# KiCad board keyboard.kicad_pcb
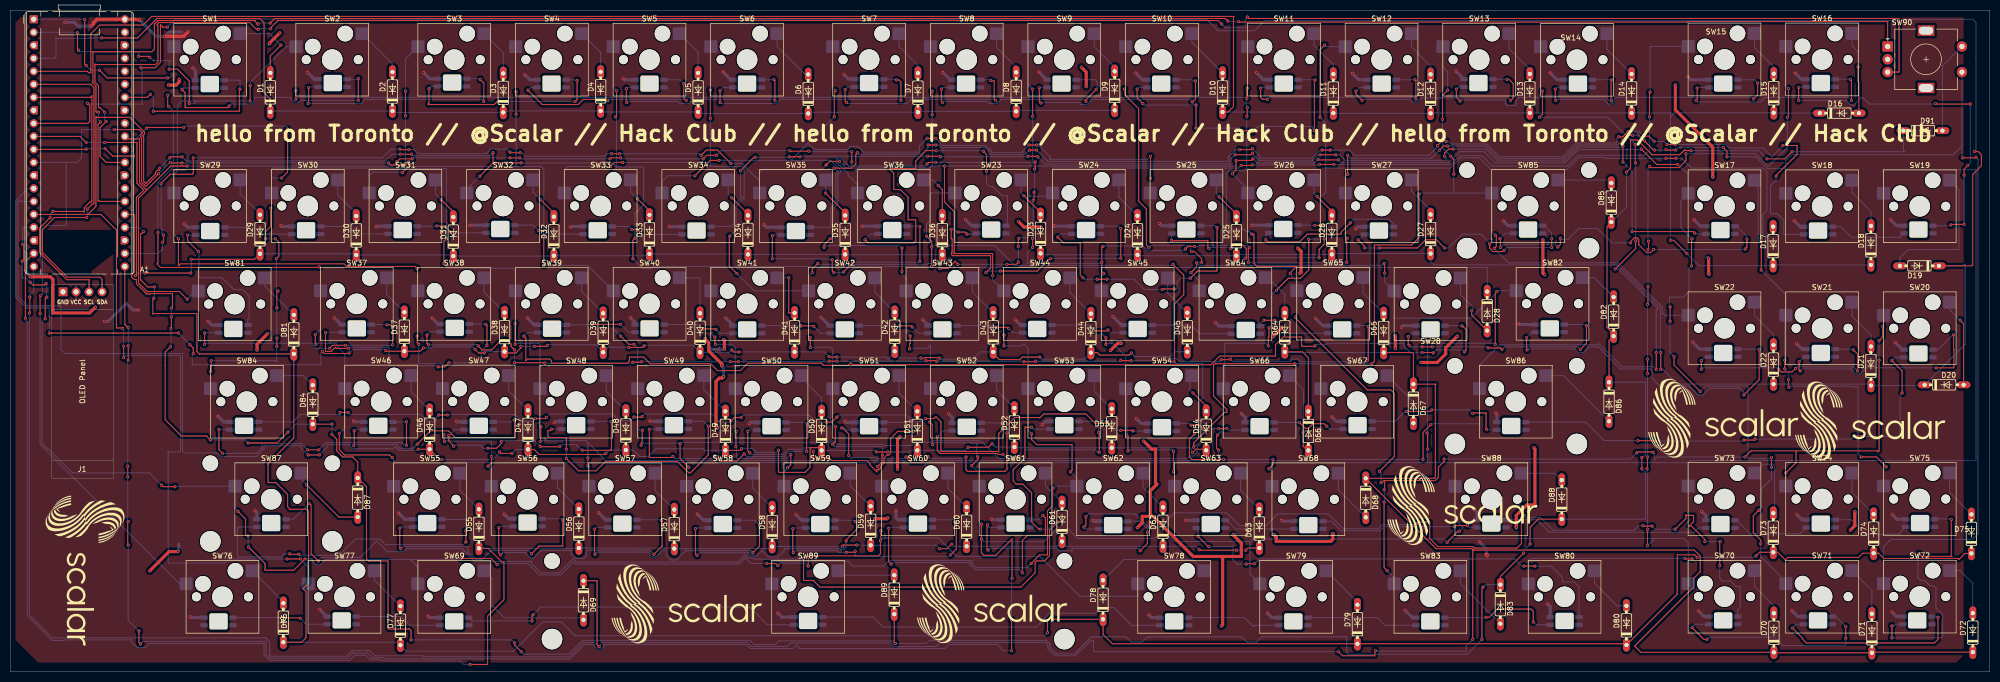
[diagram p0: board, top side]
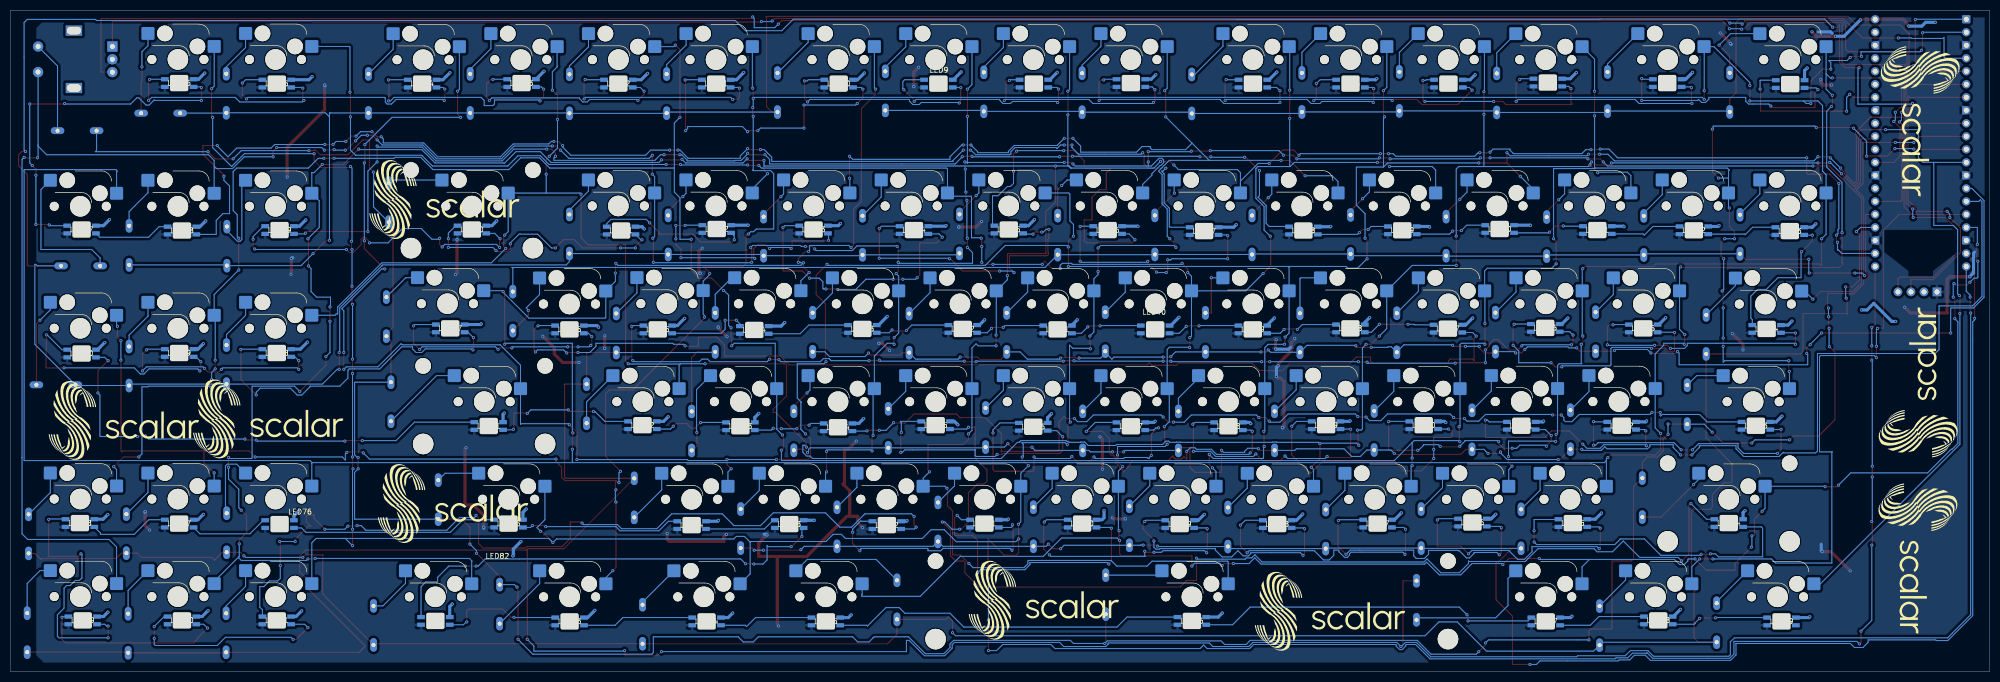
[diagram p1: board, bottom side, seen from below]

Outline 386.33 x 129.13 mm; copper layers: Top, Bottom. Coordinates in mm from the lower left corner of the outline.
Outline path: rectangle 0,129.13 386.33,0

## Placement (name value [footprint] x y rotation side)
A1  RaspberryPi_Pico  [RaspberryPi_Pico_Common_THT]  4.58 127.38 0 top
D1  1N4148  [DO35-7]  50.74 113.1 90 top
D2  1N4148  [DO35-7]  74.59 113.27 90 top
D3  1N4148  [DO35-7]  96.22 112.99 90 top
D4  1N4148  [DO35-7]  115.23 113.29 90 top
D5  1N4148  [DO35-7]  134.24 113.09 90 top
D6  1N4148  [DO35-7]  155.74 112.79 90 top
D7  1N4148  [DO35-7]  177.14 113.04 90 top
D8  1N4148  [DO35-7]  196.32 113.2 90 top
D9  1N4148  [DO35-7]  215.54 113.39 90 top
D10  1N4148  [DO35-7]  236.59 113.06 90 top
D11  1N4148  [DO35-7]  258.22 112.86 90 top
D12  1N4148  [DO35-7]  277.19 112.81 90 top
D13  1N4148  [DO35-7]  296.57 112.89 90 top
D14  1N4148  [DO35-7]  316.42 112.89 90 top
D15  1N4148  [DO35-7]  344.17 112.92 90 top
D16  1N4148  [DO35-7]  356.97 109.05 0 top
D17  1N4148  [DO35-7]  344.05 83.08 90 top
D18  1N4148  [DO35-7]  363.13 83.23 90 top
D19  1N4148  [DO35-7]  372.6 79.23 180 top
D20  1N4148  [DO35-7]  377.42 56.01 0 top
D21  1N4148  [DO35-7]  363.13 59.69 90 top
D22  1N4148  [DO35-7]  344.12 59.96 90 top
D23  1N4148  [DO35-7]  201.07 85.47 90 top
D24  1N4148  [DO35-7]  220 85.2 90 top
D25  1N4148  [DO35-7]  239.29 85.03 90 top
D26  1N4148  [DO35-7]  257.92 85.28 90 top
D27  1N4148  [DO35-7]  277.2 85.45 90 top
D28  1N4148  [DO35-7]  288.25 70.4 270 top
D29  1N4148  [DO35-7]  48.74 85.4 90 top
D30  1N4148  [DO35-7]  67.52 85.17 90 top
D31  1N4148  [DO35-7]  86.47 84.95 90 top
D32  1N4148  [DO35-7]  106.09 85.03 90 top
D33  1N4148  [DO35-7]  124.75 85.36 90 top
D34  1N4148  [DO35-7]  143.97 85.28 90 top
D35  1N4148  [DO35-7]  162.94 85.28 90 top
D36  1N4148  [DO35-7]  181.89 85.22 90 top
D37  1N4148  [DO35-7]  76.92 66.38 90 top
D38  1N4148  [DO35-7]  96.47 66.3 90 top
D39  1N4148  [DO35-7]  115.72 66.18 90 top
D40  1N4148  [DO35-7]  134.62 66.18 90 top
D41  1N4148  [DO35-7]  153.07 66.25 90 top
D42  1N4148  [DO35-7]  172.62 66.38 90 top
D43  1N4148  [DO35-7]  191.84 66.25 90 top
D44  1N4148  [DO35-7]  210.89 66.1 90 top
D45  1N4148  [DO35-7]  229.72 66.28 90 top
D46  1N4148  [DO35-7]  81.84 47.25 90 top
D47  1N4148  [DO35-7]  101.04 47.22 90 top
D48  1N4148  [DO35-7]  120.14 47.1 90 top
D49  1N4148  [DO35-7]  139.57 47.03 90 top
D50  1N4148  [DO35-7]  158.34 47.01 90 top
D51  1N4148  [DO35-7]  177.02 47.03 90 top
D52  1N4148  [DO35-7]  195.97 47.68 90 top
D53  1N4148  [DO35-7]  214.97 47.53 90 top
D54  1N4148  [DO35-7]  233.39 47.05 90 top
D55  1N4148  [DO35-7]  91.47 27.9 90 top
D56  1N4148  [DO35-7]  110.97 27.95 90 top
D57  1N4148  [DO35-7]  129.59 27.85 90 top
D58  1N4148  [DO35-7]  148.69 28.25 90 top
D59  1N4148  [DO35-7]  167.92 28.5 90 top
D60  1N4148  [DO35-7]  186.64 28.3 90 top
D61  1N4148  [DO35-7]  205.28 29.25 90 top
D62  1N4148  [DO35-7]  224.97 28.3 90 top
D63  1N4148  [DO35-7]  243.77 27.95 90 top
D64  1N4148  [DO35-7]  248.74 66.25 90 top
D65  1N4148  [DO35-7]  268.05 66.12 90 top
D66  1N4148  [DO35-7]  253.34 47.01 270 top
D67  1N4148  [DO35-7]  273.85 52.32 270 top
D68  1N4148  [DO35-7]  264.55 33.95 270 top
D69  1N4148  [DO35-7]  111.88 13.96 270 top
D70  1N4148  [DO35-7]  344.2 7.61 90 top
D71  1N4148  [DO35-7]  363.32 7.51 90 top
D72  1N4148  [DO35-7]  383.02 7.63 90 top
D73  1N4148  [DO35-7]  344.08 27.13 90 top
D74  1N4148  [DO35-7]  363.67 26.96 90 top
D75  1N4148  [DO35-7]  382.75 26.91 90 top
D76  1N4148  [DO35-7]  53.29 9.57 90 top
D77  1N4148  [DO35-7]  76.15 9 90 top
D78  1N4148  [DO35-7]  213.27 14.05 90 top
D79  1N4148  [DO35-7]  262.92 9.28 90 top
D80  1N4148  [DO35-7]  315.42 9.05 90 top
D81  1N4148  [DO35-7]  55.35 65.85 90 top
D82  1N4148  [DO35-7]  312.92 69.32 90 top
D83  1N4148  [DO35-7]  290.82 13.2 270 top
D84  1N4148  [DO35-7]  59.04 52.14 90 top
D85  1N4148  [DO35-7]  312.47 91.58 90 top
D86  1N4148  [DO35-7]  312.03 52.72 270 top
D87  1N4148  [DO35-7]  67.81 34 270 top
D88  1N4148  [DO35-7]  302.8 33.6 90 top
D89  1N4148  [DO35-7]  172.52 15.05 90 top
D91  1N4148  [DO35-7]  373.29 105.62 0 top
G***  -  [LOGO]  363.05 48.99 0 top
G***#2  -  [LOGO]  334.36 49.51 0 top
G***#3  -  [LOGO]  191.66 13.31 0 top
G***#4  -  [LOGO]  14.62 19.69 270 top
G***#5  -  [LOGO]  132.06 13.26 0 top
G***#6  -  [LOGO]  283.46 32.47 0 top
G***#7  -  [LOGO]  13.99 56.54 90 bottom
G***#8  -  [LOGO]  299.87 32.87 180 bottom
G***#9  -  [LOGO]  301.56 92.21 180 bottom
G***#10  -  [LOGO]  128.74 11.83 180 bottom
G***#11  -  [LOGO]  14 22.06 270 bottom
G***#12  -  [LOGO]  184.57 13.99 180 bottom
G***#13  -  [LOGO]  335.94 49.39 180 bottom
G***#14  -  [LOGO]  364.13 49.08 180 bottom
G***#15  -  [LOGO]  13.55 107.4 270 bottom
J1  Conn_01x04  [SSD1306-0.91-OLED-4pin-128x32]  8.11 37.66 90 top
LED1  SK6812MINI-E mine  [BAcklight]  38.95 114.72 180 bottom
LED2  SK6812MINI-E mine  [BAcklight]  62.94 114.92 180 bottom
LED3  SK6812MINI-E mine  [BAcklight]  86.24 115.02 180 bottom
LED4  SK6812MINI-E mine  [BAcklight]  105.64 114.81 180 bottom
LED5  SK6812MINI-E mine  [BAcklight]  124.75 114.81 180 bottom
LED6  SK6812MINI-E mine  [BAcklight]  143.81 114.81 180 bottom
LED7  SK6812MINI-E mine  [BAcklight]  167.62 114.92 180 bottom
LED8  SK6812MINI-E mine  [BAcklight]  186.54 114.81 180 bottom
LED9  SK6812MINI-E mine  [BAcklight]  205.17 114.81 180 bottom
LED10  SK6812MINI-E mine  [BAcklight]  224.64 114.81 180 bottom
LED11  SK6812MINI-E mine  [BAcklight]  248.54 114.81 180 bottom
LED12  SK6812MINI-E mine  [BAcklight]  267.64 114.81 180 bottom
LED13  SK6812MINI-E mine  [BAcklight]  286.54 114.92 180 bottom
LED14  SK6812MINI-E mine  [BAcklight]  305.94 114.81 180 bottom
LED15  SK6812MINI-E mine  [BAcklight]  334.31 114.81 180 bottom
LED16  SK6812MINI-E mine  [BAcklight]  353.36 114.92 180 bottom
LED17  SK6812MINI-E mine  [BAcklight]  372.41 86.33 180 bottom
LED18  SK6812MINI-E mine  [BAcklight]  352.81 86.12 180 bottom
LED19  SK6812MINI-E mine  [BAcklight]  333.77 86.22 180 bottom
LED20  SK6812MINI-E mine  [BAcklight]  296.23 86.33 180 bottom
LED21  SK6812MINI-E mine  [BAcklight]  267.11 86.12 180 bottom
LED22  SK6812MINI-E mine  [BAcklight]  248.45 86.42 180 bottom
LED23  SK6812MINI-E mine  [BAcklight]  229.55 86.33 180 bottom
LED24  SK6812MINI-E mine  [BAcklight]  209.96 86.22 180 bottom
LED25  SK6812MINI-E mine  [BAcklight]  191.45 86.33 180 bottom
LED26  SK6812MINI-E mine  [BAcklight]  172.14 86.22 180 bottom
LED27  SK6812MINI-E mine  [BAcklight]  153.32 86.03 180 bottom
LED28  SK6812MINI-E mine  [BAcklight]  133.94 86.12 180 bottom
LED29  SK6812MINI-E mine  [BAcklight]  114.64 86.17 180 bottom
LED30  SK6812MINI-E mine  [BAcklight]  95.65 86.42 180 bottom
LED31  SK6812MINI-E mine  [BAcklight]  76.58 86.22 180 bottom
LED32  SK6812MINI-E mine  [BAcklight]  57.74 86.17 180 bottom
LED33  SK6812MINI-E mine  [BAcklight]  39.02 86.03 180 bottom
LED34  SK6812MINI-E mine  [BAcklight]  43.55 66.93 180 bottom
LED35  SK6812MINI-E mine  [BAcklight]  67.62 67.03 180 bottom
LED36  SK6812MINI-E mine  [BAcklight]  86.75 67.12 180 bottom
LED37  SK6812MINI-E mine  [BAcklight]  105.75 66.97 180 bottom
LED38  SK6812MINI-E mine  [BAcklight]  124.78 67.03 180 bottom
LED39  SK6812MINI-E mine  [BAcklight]  143.82 66.82 180 bottom
LED40  SK6812MINI-E mine  [BAcklight]  162.88 66.82 180 bottom
LED41  SK6812MINI-E mine  [BAcklight]  181.92 66.82 180 bottom
LED42  SK6812MINI-E mine  [BAcklight]  200.43 66.93 180 bottom
LED43  SK6812MINI-E mine  [BAcklight]  220.03 66.93 180 bottom
LED44  SK6812MINI-E mine  [BAcklight]  241.12 66.72 180 bottom
LED45  SK6812MINI-E mine  [BAcklight]  259.95 66.82 180 bottom
LED46  SK6812MINI-E mine  [BAcklight]  277.19 66.82 180 bottom
LED47  SK6812MINI-E mine  [BAcklight]  300.46 67.03 180 bottom
LED48  SK6812MINI-E mine  [BAcklight]  334.31 62.22 180 bottom
LED49  SK6812MINI-E mine  [BAcklight]  353.36 62.22 180 bottom
LED50  SK6812MINI-E mine  [BAcklight]  372.41 62.12 180 bottom
LED51  SK6812MINI-E mine  [BAcklight]  292.95 47.97 180 bottom
LED52  SK6812MINI-E mine  [BAcklight]  262.95 48.12 180 bottom
LED53  SK6812MINI-E mine  [BAcklight]  243.82 47.93 180 bottom
LED54  SK6812MINI-E mine  [BAcklight]  224.77 47.72 180 bottom
LED55  SK6812MINI-E mine  [BAcklight]  205.72 48.12 180 bottom
LED56  SK6812MINI-E mine  [BAcklight]  186.67 47.82 180 bottom
LED57  SK6812MINI-E mine  [BAcklight]  167.62 47.93 180 bottom
LED58  SK6812MINI-E mine  [BAcklight]  148.57 47.93 180 bottom
LED59  SK6812MINI-E mine  [BAcklight]  129.52 48.12 180 bottom
LED60  SK6812MINI-E mine  [BAcklight]  110.47 48.12 180 bottom
LED61  SK6812MINI-E mine  [BAcklight]  91.43 48.03 180 bottom
LED62  SK6812MINI-E mine  [BAcklight]  71.84 48.03 180 bottom
LED63  SK6812MINI-E mine  [BAcklight]  45.63 48.03 180 bottom
LED64  SK6812MINI-E mine  [BAcklight]  50.94 29.03 180 bottom
LED65  SK6812MINI-E mine  [BAcklight]  81.37 29.03 180 bottom
LED66  SK6812MINI-E mine  [BAcklight]  100.96 29.12 180 bottom
LED67  SK6812MINI-E mine  [BAcklight]  119.47 28.93 180 bottom
LED68  SK6812MINI-E mine  [BAcklight]  139.06 28.82 180 bottom
LED69  SK6812MINI-E mine  [BAcklight]  158.09 28.82 180 bottom
LED70  SK6812MINI-E mine  [BAcklight]  177.14 28.93 180 bottom
LED71  SK6812MINI-E mine  [BAcklight]  196.19 28.93 180 bottom
LED72  SK6812MINI-E mine  [BAcklight]  215.25 28.62 180 bottom
LED73  SK6812MINI-E mine  [BAcklight]  234.29 28.82 180 bottom
LED74  SK6812MINI-E mine  [BAcklight]  253.34 28.62 180 bottom
LED75  SK6812MINI-E mine  [BAcklight]  289.06 28.93 180 bottom
LED76  SK6812MINI-E mine  [BAcklight]  333.77 28.82 180 bottom
LED77  SK6812MINI-E mine  [BAcklight]  353.36 28.93 180 bottom
LED78  SK6812MINI-E mine  [BAcklight]  372.73 29.03 180 bottom
LED79  SK6812MINI-E mine  [BAcklight]  372.18 10.03 180 bottom
LED80  SK6812MINI-E mine  [BAcklight]  352.81 10.03 180 bottom
LED81  SK6812MINI-E mine  [BAcklight]  334.31 10.03 180 bottom
LED82  SK6812MINI-E mine  [BAcklight]  303.35 9.93 180 bottom
LED83  SK6812MINI-E mine  [BAcklight]  277.16 9.82 180 bottom
LED84  SK6812MINI-E mine  [BAcklight]  250.42 9.82 180 bottom
LED85  SK6812MINI-E mine  [BAcklight]  227.15 9.82 180 bottom
LED86  SK6812MINI-E mine  [BAcklight]  155.71 9.93 180 bottom
LED87  SK6812MINI-E mine  [BAcklight]  86.66 9.82 180 bottom
LED88  SK6812MINI-E mine  [BAcklight]  64.68 10.03 180 bottom
LED89  SK6812MINI-E mine  [BAcklight]  40.65 9.82 180 bottom
REF**  -  [SW_Cherry_MX_2.00u_PCB]  298.75 96.02 0 top
REF**#2  -  [SW_Cherry_MX_6.25u_PCB]  158.28 19.69 0 top
REF**#3  -  [SW_Cherry_MX_2.25u_PCB]  53.49 38.78 0 top
REF**#4  -  [SW_Cherry_MX_2.25u_PCB]  296.39 57.78 0 top
SW1  SW_Push_45deg  [SW_Hotswap_Kailh_MX_1.00u]  39.02 119.48 0 top
SW2  SW_Push_45deg  [SW_Hotswap_Kailh_MX_1.00u]  62.84 119.49 0 top
SW3  SW_Push_45deg  [SW_Hotswap_Kailh_MX_1.00u]  86.65 119.48 0 top
SW4  SW_Push_45deg  [SW_Hotswap_Kailh_MX_1.00u]  105.71 119.49 0 top
SW5  SW_Push_45deg  [SW_Hotswap_Kailh_MX_1.00u]  124.75 119.49 0 top
SW6  SW_Push_45deg  [SW_Hotswap_Kailh_MX_1.00u]  143.81 119.49 0 top
SW7  SW_Push_45deg  [SW_Hotswap_Kailh_MX_1.00u]  167.62 119.49 0 top
SW8  SW_Push_45deg  [SW_Hotswap_Kailh_MX_1.00u]  186.67 119.49 0 top
SW9  SW_Push_45deg  [SW_Hotswap_Kailh_MX_1.00u]  205.72 119.49 0 top
SW10  SW_Push_45deg  [SW_Hotswap_Kailh_MX_1.00u]  224.77 119.49 0 top
SW11  SW_Push_45deg  [SW_Hotswap_Kailh_MX_1.00u]  248.58 119.49 0 top
SW12  SW_Push_45deg  [SW_Hotswap_Kailh_MX_1.00u]  267.63 119.49 0 top
SW13  SW_Push_45deg  [SW_Hotswap_Kailh_MX_1.00u]  286.68 119.49 0 top
SW14  SW_Push_45deg  [SW_Hotswap_Kailh_MX_1.00u]  305.76 119.47 0 top
SW15  SW_Push_45deg  [SW_Hotswap_Kailh_MX_1.00u]  334.56 119.53 0 top
SW16  SW_Push_45deg  [SW_Hotswap_Kailh_MX_1.00u]  353.61 119.53 0 top
SW17  SW_Push_45deg  [SW_Hotswap_Kailh_MX_1.00u]  334.56 90.86 0 top
SW18  SW_Push_45deg  [SW_Hotswap_Kailh_MX_1.00u]  353.61 90.86 0 top
SW19  SW_Push_45deg  [SW_Hotswap_Kailh_MX_1.00u]  372.66 90.86 0 top
SW20  SW_Push_45deg  [SW_Hotswap_Kailh_MX_1.00u]  372.66 67.05 0 top
SW21  SW_Push_45deg  [SW_Hotswap_Kailh_MX_1.00u]  353.61 67.05 0 top
SW22  SW_Push_45deg  [SW_Hotswap_Kailh_MX_1.00u]  334.56 67.05 0 top
SW23  SW_Push_45deg  [SW_Hotswap_Kailh_MX_1.00u]  191.45 90.92 0 top
SW24  SW_Push_45deg  [SW_Hotswap_Kailh_MX_1.00u]  210.5 90.92 0 top
SW25  SW_Push_45deg  [SW_Hotswap_Kailh_MX_1.00u]  229.55 90.92 0 top
SW26  SW_Push_45deg  [SW_Hotswap_Kailh_MX_1.00u]  248.6 90.92 0 top
SW27  SW_Push_45deg  [SW_Hotswap_Kailh_MX_1.00u]  267.65 90.92 0 top
SW28  SW_Push_45deg  [SW_Hotswap_Kailh_MX_1.00u]  277.19 71.78 0 top
SW29  SW_Push_45deg  [SW_Hotswap_Kailh_MX_1.00u]  39.02 90.92 0 top
SW30  SW_Push_45deg  [SW_Hotswap_Kailh_MX_1.00u]  58.07 90.92 0 top
SW31  SW_Push_45deg  [SW_Hotswap_Kailh_MX_1.00u]  77.12 90.92 0 top
SW32  SW_Push_45deg  [SW_Hotswap_Kailh_MX_1.00u]  96.18 90.92 0 top
SW33  SW_Push_45deg  [SW_Hotswap_Kailh_MX_1.00u]  115.22 90.92 0 top
SW34  SW_Push_45deg  [SW_Hotswap_Kailh_MX_1.00u]  134.28 90.92 0 top
SW35  SW_Push_45deg  [SW_Hotswap_Kailh_MX_1.00u]  153.32 90.92 0 top
SW36  SW_Push_45deg  [SW_Hotswap_Kailh_MX_1.00u]  172.41 90.92 0 top
SW37  SW_Push_45deg  [SW_Hotswap_Kailh_MX_1.00u]  67.62 71.81 0 top
SW38  SW_Push_45deg  [SW_Hotswap_Kailh_MX_1.00u]  86.62 71.81 0 top
SW39  SW_Push_45deg  [SW_Hotswap_Kailh_MX_1.00u]  105.67 71.81 0 top
SW40  SW_Push_45deg  [SW_Hotswap_Kailh_MX_1.00u]  124.78 71.81 0 top
SW41  SW_Push_45deg  [SW_Hotswap_Kailh_MX_1.00u]  143.82 71.81 0 top
SW42  SW_Push_45deg  [SW_Hotswap_Kailh_MX_1.00u]  162.88 71.81 0 top
SW43  SW_Push_45deg  [SW_Hotswap_Kailh_MX_1.00u]  181.92 71.81 0 top
SW44  SW_Push_45deg  [SW_Hotswap_Kailh_MX_1.00u]  200.97 71.81 0 top
SW45  SW_Push_45deg  [SW_Hotswap_Kailh_MX_1.00u]  220.03 71.81 0 top
SW46  SW_Push_45deg  [SW_Hotswap_Kailh_MX_1.00u]  72.38 52.75 0 top
SW47  SW_Push_45deg  [SW_Hotswap_Kailh_MX_1.00u]  91.43 52.75 0 top
SW48  SW_Push_45deg  [SW_Hotswap_Kailh_MX_1.00u]  110.47 52.72 0 top
SW49  SW_Push_45deg  [SW_Hotswap_Kailh_MX_1.00u]  129.52 52.72 0 top
SW50  SW_Push_45deg  [SW_Hotswap_Kailh_MX_1.00u]  148.57 52.72 0 top
SW51  SW_Push_45deg  [SW_Hotswap_Kailh_MX_1.00u]  167.62 52.72 0 top
SW52  SW_Push_45deg  [SW_Hotswap_Kailh_MX_1.00u]  186.67 52.72 0 top
SW53  SW_Push_45deg  [SW_Hotswap_Kailh_MX_1.00u]  205.72 52.72 0 top
SW54  SW_Push_45deg  [SW_Hotswap_Kailh_MX_1.00u]  224.77 52.72 0 top
SW55  SW_Push_45deg  [SW_Hotswap_Kailh_MX_1.00u]  81.91 33.66 0 top
SW56  SW_Push_45deg  [SW_Hotswap_Kailh_MX_1.00u]  100.96 33.66 0 top
SW57  SW_Push_45deg  [SW_Hotswap_Kailh_MX_1.00u]  120.01 33.66 0 top
SW58  SW_Push_45deg  [SW_Hotswap_Kailh_MX_1.00u]  139.06 33.66 0 top
SW59  SW_Push_45deg  [SW_Hotswap_Kailh_MX_1.00u]  158.09 33.68 0 top
SW60  SW_Push_45deg  [SW_Hotswap_Kailh_MX_1.00u]  177.14 33.68 0 top
SW61  SW_Push_45deg  [SW_Hotswap_Kailh_MX_1.00u]  196.19 33.68 0 top
SW62  SW_Push_45deg  [SW_Hotswap_Kailh_MX_1.00u]  215.25 33.68 0 top
SW63  SW_Push_45deg  [SW_Hotswap_Kailh_MX_1.00u]  234.29 33.68 0 top
SW64  SW_Push_45deg  [SW_Hotswap_Kailh_MX_1.00u]  239.1 71.84 0 top
SW65  SW_Push_45deg  [SW_Hotswap_Kailh_MX_1.00u]  258.18 71.86 0 top
SW66  SW_Push_45deg  [SW_Hotswap_Kailh_MX_1.00u]  243.82 52.72 0 top
SW67  SW_Push_45deg  [SW_Hotswap_Kailh_MX_1.00u]  262.87 52.72 0 top
SW68  SW_Push_45deg  [SW_Hotswap_Kailh_MX_1.00u]  253.34 33.66 0 top
SW69  SW_Push_45deg  [SW_Hotswap_Kailh_MX_1.00u]  86.66 14.62 0 top
SW70  SW_Push_45deg  [SW_Hotswap_Kailh_MX_1.00u]  334.56 14.66 0 top
SW71  SW_Push_45deg  [SW_Hotswap_Kailh_MX_1.00u]  353.61 14.66 0 top
SW72  SW_Push_45deg  [SW_Hotswap_Kailh_MX_1.00u]  372.66 14.67 0 top
SW73  SW_Push_45deg  [SW_Hotswap_Kailh_MX_1.00u]  334.56 33.71 0 top
SW74  SW_Push_45deg  [SW_Hotswap_Kailh_MX_1.00u]  353.61 33.71 0 top
SW75  SW_Push_45deg  [SW_Hotswap_Kailh_MX_1.00u]  372.66 33.72 0 top
SW76  SW_Push_45deg  [SW_Hotswap_Kailh_MX_1.25u]  41.41 14.62 0 top
SW77  SW_Push_45deg  [SW_Hotswap_Kailh_MX_1.25u]  65.23 14.62 0 top
SW78  SW_Push_45deg  [SW_Hotswap_Kailh_MX_1.25u]  227.15 14.62 0 top
SW79  SW_Push_45deg  [SW_Hotswap_Kailh_MX_1.25u]  250.96 14.62 0 top
SW80  SW_Push_45deg  [SW_Hotswap_Kailh_MX_1.25u]  303.35 14.62 0 top
SW81  SW_Push_45deg  [SW_Hotswap_Kailh_MX_1.50u]  43.79 71.78 0 top
SW82  SW_Push_45deg  [SW_Hotswap_Kailh_MX_1.50u]  301 71.84 0 top
SW83  SW_Push_45deg  [SW_Hotswap_Kailh_MX_1.50u]  277.16 14.62 0 top
SW84  SW_Push_45deg  [SW_Hotswap_Kailh_MX_1.75u]  46.18 52.72 0 top
SW85  SW_Push_45deg  [SW_Hotswap_Kailh_MX_2.00u]  296.23 90.91 0 top
SW86  SW_Push_45deg  [SW_Hotswap_Kailh_MX_2.25u]  293.83 52.72 0 top
SW87  SW_Push_45deg  [SW_Hotswap_Kailh_MX_2.25u]  50.94 33.68 0 top
SW88  SW_Push_45deg  [SW_Hotswap_Kailh_MX_2.75u]  289.06 33.68 0 top
SW89  SW_Push_45deg  [SW_Hotswap_Kailh_MX_6.25u]  155.71 14.62 0 top
SW90  RotaryEncoder_Switch  [RotaryEncoder_Alps_EC11E-Switch_Vertical_H20mm]  366.4 122.05 0 top

## Library data of the parts
A1 = -: Datasheet: https://datasheets.raspberrypi.com/pico/pico-datasheet.pdf; Description: Versatile and inexpensive microcontroller module powered by RP2040 dual-core Arm Cortex-M0+ processor up to 133 MHz, 264kB SRAM, 2MB QSPI flash; also supports Raspberry Pi Pico 2; ki_fp_filters: RaspberryPi?Pico?Common* RaspberryPi?Pico?SMD*
D1-D89 D91 = -: Datasheet: https://assets.nexperia.com/documents/data-sheet/1N4148_1N4448.pdf; Description: 100V 0.15A standard switching diode, DO-35; Sim.Device: D; Sim.Pins: 1=K 2=A; ki_fp_filters: D*DO?35*
J1 = -: Description: Generic connector, single row, 01x04, script generated (kicad-library-utils/schlib/autogen/connector/); ki_fp_filters: Connector*:*_1x??_*
LED1-LED89 = -: Datasheet: https://cdn-shop.adafruit.com/product-files/2686/SK6812MINI_REV.01-1-2.pdf; Description: RGB LED with integrated controller; ki_fp_filters: LED*SK6812MINI*PLCC*3.5x3.5mm*P1.75mm*
SW1-SW89 = -: Description: Push button switch, normally open, two pins, 45° tilted
SW90 = -: Description: Rotary encoder, dual channel, incremental quadrate outputs, with switch; ki_fp_filters: RotaryEncoder*Switch*

## Footprints (pads in the part's own frame, mm; a bottom-side part is the same pattern mirrored in y, then rotated)
BAcklight
  rect 1.5x0.82 smd: 1(2.8,0.75) 2(2.8,-0.75) 3(-2.8,-0.75) 4(-2.8,0.75)
DO35-7
  oval 2.642x1.321 hole 0.813: 1(-3.81,0) 2(3.81,0)
RaspberryPi_Pico_Common_THT
  rrect 1.6x1.6 hole 1: 1(0,0)
  round 1.6 hole 1: 2(0,-2.54) 4(0,-7.62) 5(0,-10.16) 6(0,-12.7) 7(0,-15.24) 9(0,-20.32) 10(0,-22.86) 11(0,-25.4) 12(0,-27.94) 14(0,-33.02) 15(0,-35.56) 16(0,-38.1) 17(0,-40.64) 19(0,-45.72) 20(0,-48.26) 21(17.78,-48.26) 22(17.78,-45.72) 24(17.78,-40.64) 25(17.78,-38.1) 26(17.78,-35.56) 27(17.78,-33.02) 29(17.78,-27.94) 30(17.78,-25.4) 31(17.78,-22.86) 32(17.78,-20.32) 34(17.78,-15.24) 35(17.78,-12.7) 36(17.78,-10.16) 37(17.78,-7.62) 39(17.78,-2.54) 40(17.78,0)
  custom 1.6x1.6 hole 1: 3(0,-5.08) 8(0,-17.78) 13(0,-30.48) 18(0,-43.18) 23(17.78,-43.18) 28(17.78,-30.48) 33(17.78,-17.78) 38(17.78,-5.08)
RotaryEncoder_Alps_EC11E-Switch_Vertical_H20mm
  rect 2x2 hole 1: A(0,0)
  round 2 hole 1: B(0,-5) C(0,-2.5) S1(14.5,-5) S2(14.5,0)
  rect 3.2x2 hole 2.8x1.5: MP(7.5,3.1) MP(7.5,-8.1)
SSD1306-0.91-OLED-4pin-128x32
  rect 1.7x1.7 hole 1: 1(36.5,-2.19)
  oval 1.7x1.7 hole 1: 2(36.5,-4.73) 3(36.5,-7.27) 4(36.5,-9.81)
SW_Cherry_MX_2.00u_PCB
  round 3.05 hole 3.05 unplated: (-14.44,1.92) (9.36,1.92)
  round 4 hole 4 unplated: (-14.44,-13.32) (9.36,-13.32)
SW_Cherry_MX_2.25u_PCB
  round 3.05 hole 3.05 unplated: (-14.44,1.92) (9.36,1.92)
  round 4 hole 4 unplated: (-14.44,-13.32) (9.36,-13.32)
SW_Cherry_MX_6.25u_PCB
  round 3.05 hole 3.05 unplated: (-52.54,1.92) (47.46,1.92)
  round 4 hole 4 unplated: (-52.54,-13.32) (47.46,-13.32)
SW_Hotswap_Kailh_MX_1.00u
  round 1.75 hole 1.75 unplated: (-5.08,0) (5.08,0)
  round 3.05 hole 3.05 unplated: (-3.81,2.54) (2.54,5.08)
  round 4 hole 4 unplated: (0,0)
  rrect 2.55x2.5 smd far side: 1(-7.085,2.54) 2(5.842,5.08)
SW_Hotswap_Kailh_MX_1.25u
  round 1.75 hole 1.75 unplated: (-5.08,0) (5.08,0)
  round 3.05 hole 3.05 unplated: (-3.81,2.54) (2.54,5.08)
  round 4 hole 4 unplated: (0,0)
  rrect 2.55x2.5 smd far side: 1(-7.085,2.54) 2(5.842,5.08)
SW_Hotswap_Kailh_MX_1.50u
  round 1.75 hole 1.75 unplated: (-5.08,0) (5.08,0)
  round 3.05 hole 3.05 unplated: (-3.81,2.54) (2.54,5.08)
  round 4 hole 4 unplated: (0,0)
  rrect 2.55x2.5 smd far side: 1(-7.085,2.54) 2(5.842,5.08)
SW_Hotswap_Kailh_MX_1.75u
  round 1.75 hole 1.75 unplated: (-5.08,0) (5.08,0)
  round 3.05 hole 3.05 unplated: (-3.81,2.54) (2.54,5.08)
  round 4 hole 4 unplated: (0,0)
  rrect 2.55x2.5 smd far side: 1(-7.085,2.54) 2(5.842,5.08)
SW_Hotswap_Kailh_MX_2.00u
  round 1.75 hole 1.75 unplated: (-5.08,0) (5.08,0)
  round 3.05 hole 3.05 unplated: (-3.81,2.54) (2.54,5.08)
  round 4 hole 4 unplated: (0,0)
  rrect 2.55x2.5 smd far side: 1(-7.085,2.54) 2(5.842,5.08)
SW_Hotswap_Kailh_MX_2.25u
  round 1.75 hole 1.75 unplated: (-5.08,0) (5.08,0)
  round 3.05 hole 3.05 unplated: (-3.81,2.54) (2.54,5.08)
  round 4 hole 4 unplated: (0,0)
  rrect 2.55x2.5 smd far side: 1(-7.085,2.54) 2(5.842,5.08)
SW_Hotswap_Kailh_MX_2.75u
  round 1.75 hole 1.75 unplated: (-5.08,0) (5.08,0)
  round 3.05 hole 3.05 unplated: (-3.81,2.54) (2.54,5.08)
  round 4 hole 4 unplated: (0,0)
  rrect 2.55x2.5 smd far side: 1(-7.085,2.54) 2(5.842,5.08)
SW_Hotswap_Kailh_MX_6.25u
  round 1.75 hole 1.75 unplated: (-5.08,0) (5.08,0)
  round 3.05 hole 3.05 unplated: (-3.81,2.54) (2.54,5.08)
  round 4 hole 4 unplated: (0,0)
  rrect 2.55x2.5 smd far side: 1(-7.085,2.54) 2(5.842,5.08)
